# KiCad board Led_clock_sector.kicad_pcb (continued)
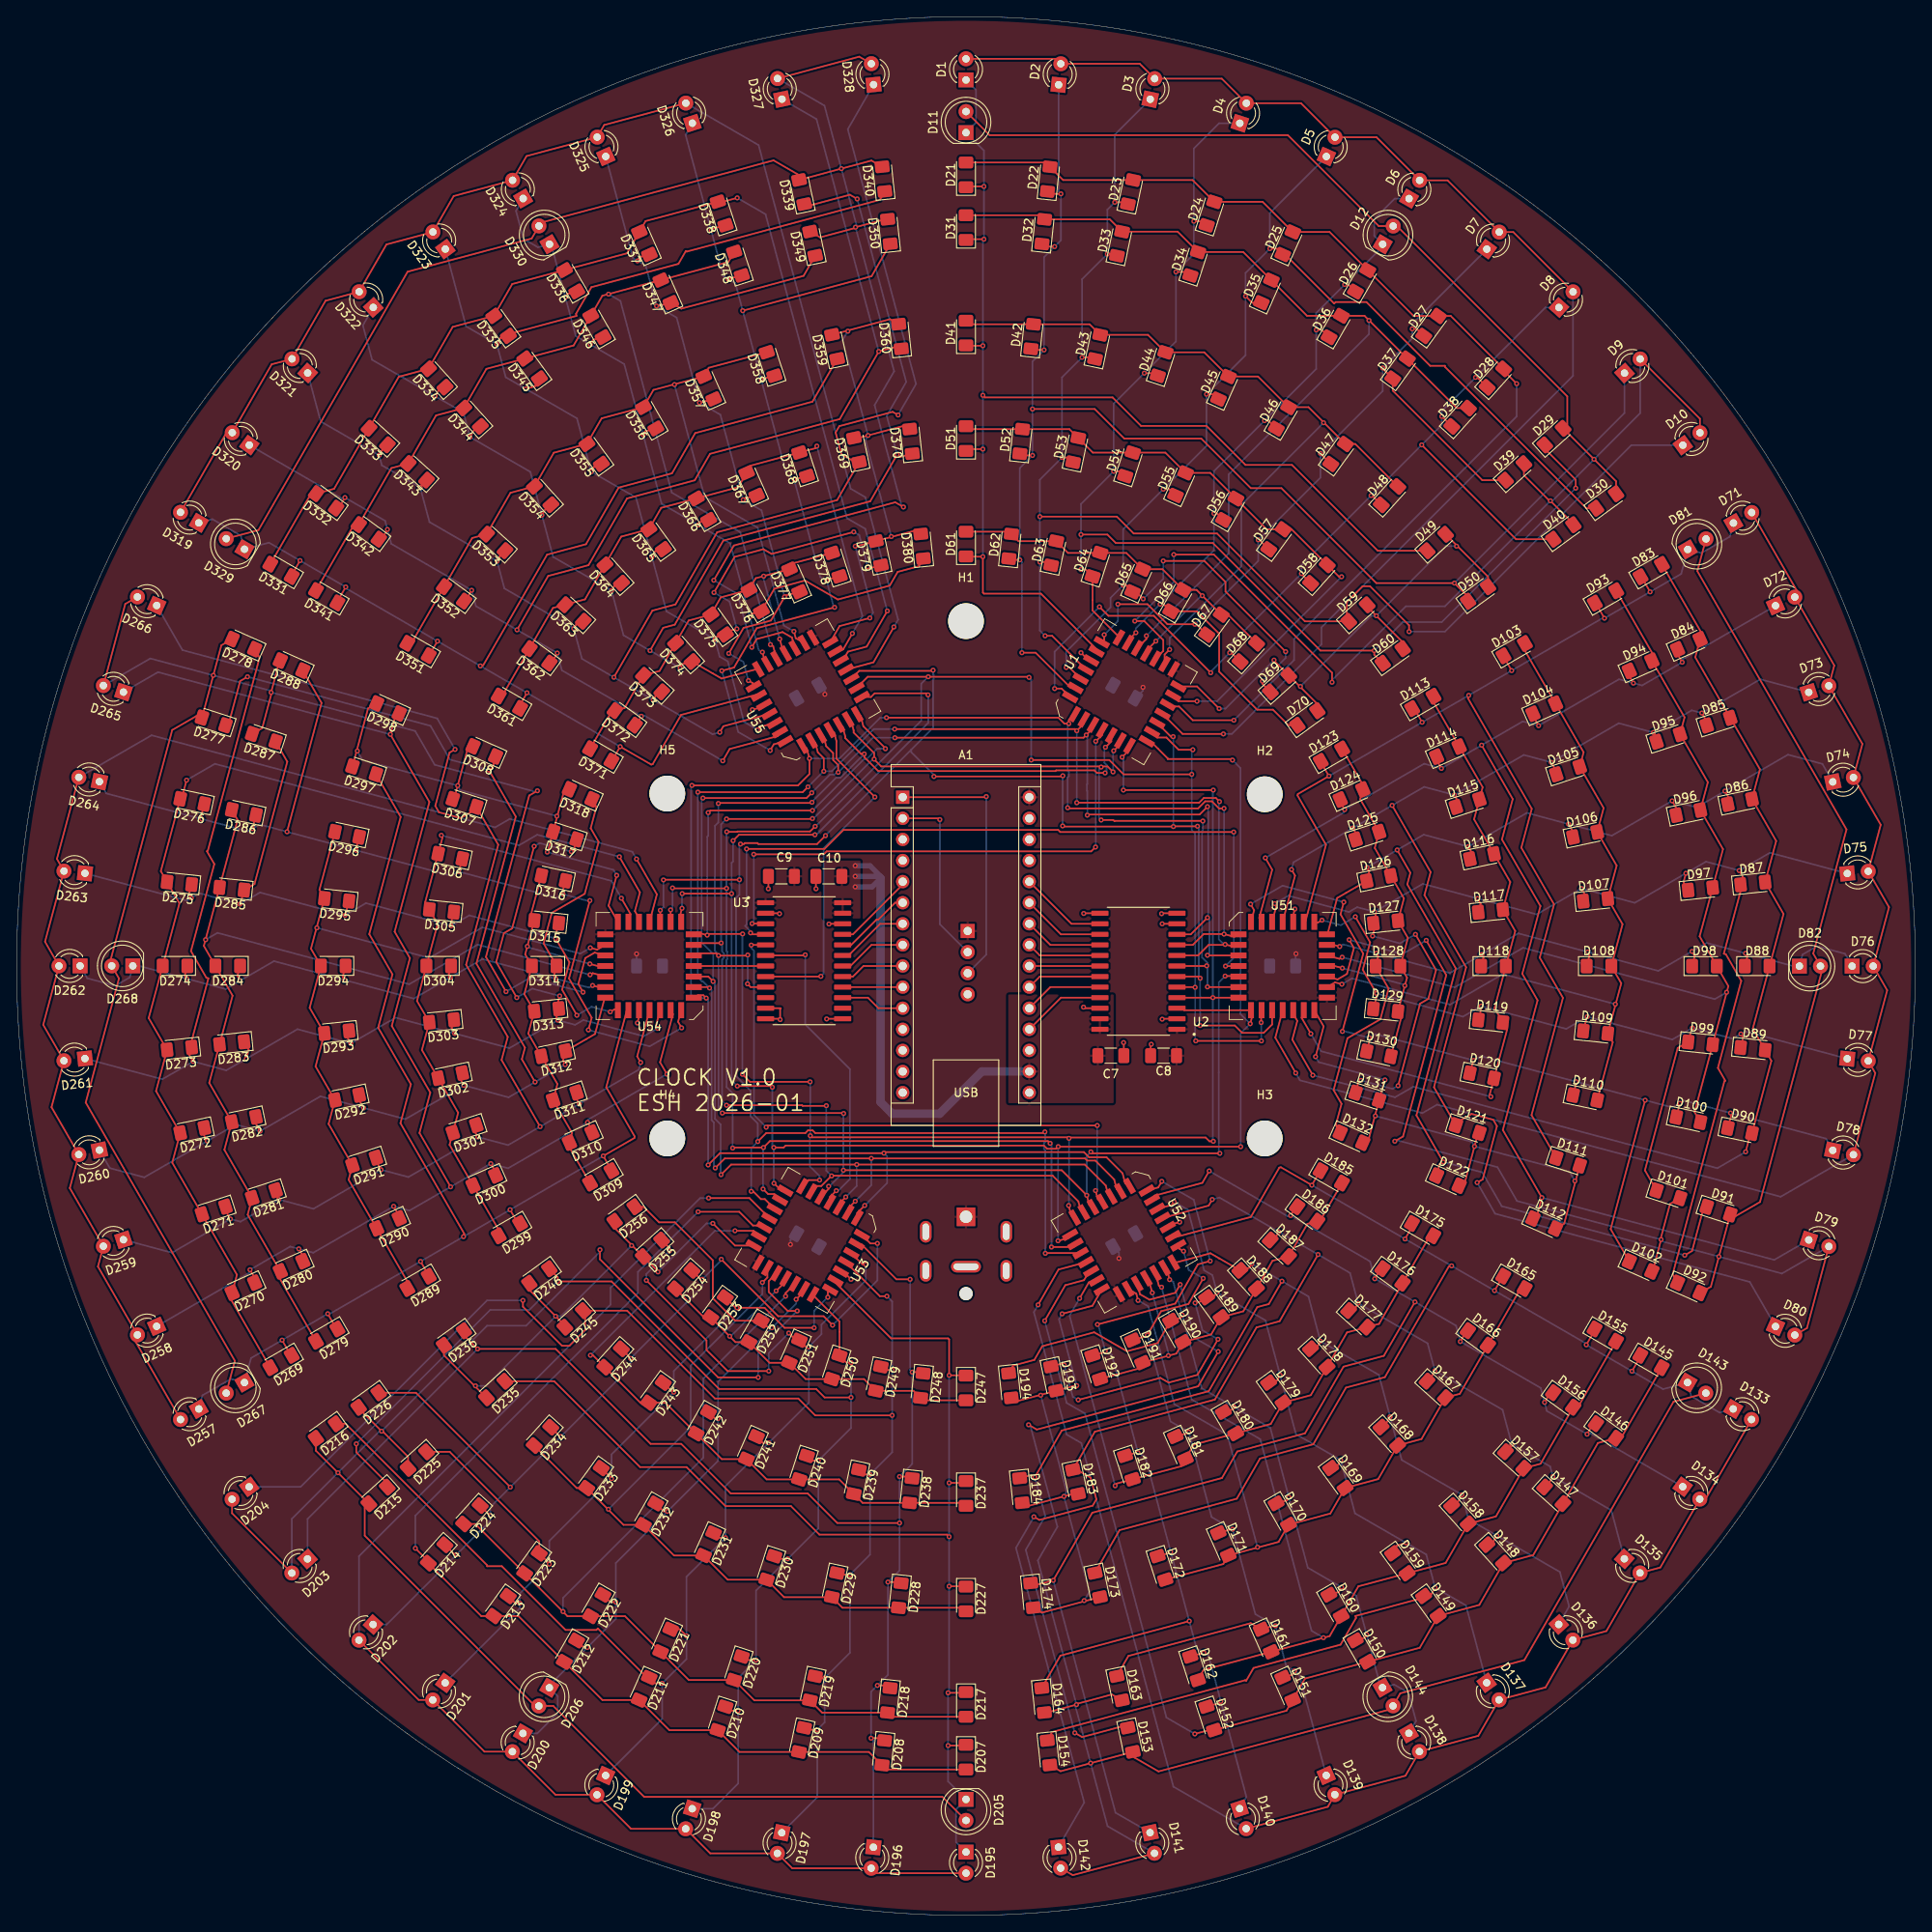
[diagram p0: board, top side]
## Routing (per net, layer and track width the routed paths; a pad name or vN(x,y) marks a point on that pad's centre or on a via; arc(x,y) is an arc through that point) (continued)
/D7: length 212
  Top w0.2: v1(84.81,89.18) 86.03,90.4 v1(101.14,90.4) 128.6,90.4 131.13,87.87 131.42,86.76 U52.7 ; U55.7 97.18,141.86 97.47,140.76 98.3,139.93 98.3,139.1 98.91,138.5 v1(98.91,137.61) ; v1(105.74,141.78) 128.45,141.78 v1(128.78,142.11) 129.59,142.92 U1.7 ; U2.10 141.35,118.11 v1(143.37,120.12) ; v1(143.37,133.48) 142.43,132.54 128.98,132.54 v1(128.91,132.46) ; v1(143.37,115.6) 143.39,115.57 U51.7 146.74,115.36 ; v1(95.73,135.15) 95.1,134.52 v1(82.63,134.52) ; U54.7 83.27,113.03 v1(83.86,112.45) ; U53.7 99.01,85.68 v1(99.82,86.49)
  Bottom w0.2: v1(84.81,89.18) 84.76,89.23 84.76,95.22 84.07,95.91 84.07,112.23 v1(83.86,112.45) 83.86,115.76 82.47,117.14 82.47,134.37 v1(82.63,134.52) ; v1(105.74,141.78) 103.08,141.78 v1(98.91,137.61) 98.71,137.61 98.44,137.34 97.92,137.34 v1(95.73,135.15) ; v1(101.14,90.4) 101.14,87.81 v1(99.82,86.49) ; v1(143.37,133.48) 143.47,133.38 143.47,120.22 v1(143.37,120.12) 143.62,119.88 143.62,115.84 v1(143.37,115.6) ; v1(128.91,132.46) 128.91,135.35 128.86,135.39 128.86,136.16 128.91,136.2 128.91,141.99 v1(128.78,142.11)
/ED0: length 10.1
  Top w0.2: U2.21 125.73,110.49 A1.19
/ED1: length 9.6
  Top w0.2: A1.20 124.46,111.76 U2.20
/ED2: length 9
  Top w0.2: U2.19 123.19,113.03 A1.21
/ED3: length 8.5
  Top w0.2: A1.22 U2.18
/ED4: length 9
  Top w0.2: U2.17 123.19,115.57 A1.23
/ED5: length 9.6
  Top w0.2: A1.24 124.46,116.84 U2.16
/ED6: length 10.1
  Top w0.2: A1.25 125.73,118.11 U2.15
/ED7: length 10.6
  Top w0.2: U2.14 127,119.38 A1.26
/EMODE: length 7.8
  Top w0.2: A1.11 103.76,109.22 102.49,110.49 U3.15
/MODE: length 213.2
  Top w0.2: v1(95.76,134.01) 95.68,133.93 84.55,133.93 v1(84.48,133.87) ; v1(84.96,96.6) 99.52,96.6 v1(99.57,96.55) ; v1(99.54,89.71) 125.82,89.71 v1(128.84,86.7) 129.15,85.53 U52.9 ; U1.9 131.79,141.34 v1(131.09,140.64) ; v1(87.99,112.15) 88.38,111.76 U3.9 ; v1(131.05,137.54) 130.07,137.54 129.76,137.85 125.15,137.85 125.07,137.77 103.73,137.77 102.04,139.46 v1(102.04,139.83) 101.67,139.83 99.76,141.74 99.76,141.93 99.45,143.09 U55.9 ; U53.9 97.76,87.47 v1(97.76,87.78) ; v1(144.86,91.74) 129.51,91.74 v1(129.34,91.92) ; U51.9 147.05,113.09 v1(145.5,113.09) ; v1(88.03,115.62) 87.95,115.54 84.52,115.54 v1(84.51,115.56) 84.24,115.82 81.96,115.82 U54.9
  Bottom w0.2: v1(88.03,115.62) 88.03,112.19 v1(87.99,112.15) ; v1(84.48,133.87) 84.48,131.58 84.07,131.17 84.07,116.11 84.51,115.68 v1(84.51,115.56) 84.51,97.05 v1(84.96,96.6) ; v1(102.04,139.83) 99.18,136.96 98.66,136.96 95.73,134.04 v1(95.76,134.01) ; v1(131.09,140.64) 130.96,140.51 130.96,138.78 131.22,138.52 131.22,137.72 v1(131.05,137.54) ; v1(99.57,96.55) 99.54,96.52 v1(99.54,89.71) 99.54,89.47 97.86,87.78 v1(97.76,87.78) ; v1(145.5,113.09) 144.73,112.32 144.73,91.87 v1(144.86,91.74) ; v1(128.84,86.7) 128.84,91.42 v1(129.34,91.92)
/Sector1/dp: length 122.5
  Top w0.2: D38.1 171.58,180.47 v1(171.58,180.47) ; v1(175.64,185.17) 175.85,185.17 D28.1 ; D48.1 163.17,170.94 v1(163.07,170.94) ; v1(124.97,147.7) 125.82,147.7 U1.4 ; D58.1 154.69,161.49 v1(154.69,161.54) ; v1(169.16,177.04) 180.52,165.68 D40.1 ; v1(143.76,149.61) 136.91,156.46 131.45,156.46 v1(130.37,157.54) ; D68.1 146.22,152.02 v1(146.05,152.02)
  Bottom w0.2: D8.1 184.05,193.58 v1(175.64,185.17) 171.58,181.1 v1(171.58,180.47) 171.58,179.45 v1(163.07,170.94) 154.69,162.56 v1(154.69,161.54) 146.05,152.91 v1(146.05,152.02) 143.76,149.73 v1(143.76,149.61) ; v1(130.37,157.54) 124.97,152.15 v1(124.97,147.7)
/Sector1/LD1: length 164.3
  Top w0.2: D1.2 125.12,223.52 D2.2 135.22,222.92 D3.2 145.09,221.13 D4.2 154.63,218.17 D5.2 163.72,214.08 D6.2 172.27,208.89 D7.2 180.19,202.66 D8.2 ; U1.15 140.38,142.24 v1(145.29,142.24)
  Bottom w0.2: v1(145.29,142.24) 146.3,142.24 157.1,153.04 157.1,155.07 187.38,185.35 D8.2
/Sector1/LD2: length 140.8
  Top w0.2: D21.2 123.88,211.04 D22.2 126,208.92 D23.2 141.57,208.92 D24.2 150.02,206.3 D25.2 158.07,202.67 D26.2 168.18,192.56 D27.2 172.66,192.56 D28.2 179.03,185.97 v1(180.59,184.4) ; v1(146.56,143.89) 141.61,143.89 139.95,145.54 138.81,145.54 U1.16
  Bottom w0.2: v1(146.56,143.89) 153.8,151.13 153.8,153.67 180.59,180.47 v1(180.59,184.4)
/Sector1/LD3: length 121.1
  Top w0.2: v1(136.02,154.05) 136.02,153.67 U1.23 ; D31.2 123.25,204.69 D32.2 131.61,204.19 D33.2 139.78,202.71 D34.2 147.67,200.26 D35.2 155.36,192.58 D36.2 162.28,192.58 D37.2 173.38,181.47 D38.2
  Bottom w0.2: v1(162.81,192.02) 162.81,190.37 145.92,173.48 145.92,163.96 v1(136.02,154.05)
/Sector1/LD4: length 97.2
  Top w0.2: v1(138.81,152.4) 138.21,151.8 U1.20 ; D48.2 161.17,177.15 D47.2 155.53,181.58 D46.2 149.45,185.27 D45.2 142.98,188.19 D44.2 136.2,190.29 D43.2 129.18,191.56 D42.2 114.73,191.56 D41.2
  Bottom w0.2: v1(157.35,179.71) 147.45,169.8 147.45,162.43 138.81,153.8 v1(138.81,152.4)
/Sector1/LD5: length 79.5
  Top w0.2: v1(159.51,161.16) 159.22,161.16 D58.2 153.5,166.88 D57.2 150.5,166.88 D56.2 143.71,173.67 D55.2 138.3,176.11 D54.2 129.57,176.11 D53.2 126.75,178.93 D52.2 114.66,178.93 D51.2 ; U1.17 139.91,146.18 v1(142.11,146.18)
  Bottom w0.2: v1(159.51,161.16) 144.53,146.18 v1(142.11,146.18)
/Sector1/LD6: length 50.4
  Top w0.2: U1.22 136.01,152.27 v1(137.16,153.42) ; D68.2 145.84,156.6 D67.2 142.05,159.58 D66.2 137.96,162.07 D65.2 133.61,164.03 D64.2 126.59,164.03 D63.2 120.62,165.44 D62.2 119.48,166.59 D61.2
  Bottom w0.2: v1(142.75,158.88) 142.62,158.88 v1(137.16,153.42)
/Sector1/LD7: length 223.1
  Top w0.2: D40.2 187.43,167.54 v1(184.66,170.31) 184.55,170.31 181.47,173.38 D39.2 ; D30.2 192.56,172.66 v1(189.91,175.31) D29.2 186.69,179.53 186.69,182.88 166.18,203.39 D12.2 163.99,203.39 153.05,214.32 117.15,214.32 D11.2 ; v1(158.37,148.46) 158.37,149.61 144.15,163.83 v1(139.32,163.83) ; U1.21 138.05,152.23 138.05,153.54 135.76,155.83 v1(134.62,155.83) ; D10.2 202.66,180.19 D9.2
  Bottom w0.2: D9.2 195.47,180.86 v1(189.91,175.31) 184.91,170.31 v1(184.66,170.31) 171.96,157.61 167.26,157.61 158.37,148.72 v1(158.37,148.46) ; v1(139.32,163.83) 139.32,160.53 v1(134.62,155.83)
/Sector1/LD8: length 64.6
  Top w0.2: U1.18 142.11,147.96 v1(144.78,145.29) ; D49.2 177.15,161.17 D50.2 ; D70.2 156.6,145.84 D69.2 151.38,151.06 v1(151.38,151.13) ; D60.2 166.88,153.29 v1(163.7,156.46) 162.6,157.57 D59.2
  Bottom w0.2: v1(151.38,151.13) 145.54,145.29 v1(144.78,145.29) ; v1(154.56,147.96) 163.07,156.46 v1(163.7,156.46) 172.09,164.85 v1(173.36,164.85)
/Sector1/Sa: length 152.3
  Top w0.2: v1(116.33,183.01) 116.59,182.75 131.95,182.75 135.38,179.32 143.26,179.32 147.96,174.62 153.54,174.62 163.88,164.29 D49.1 ; D21.1 114.39,208.15 v1(116.46,208.15) ; D41.1 114.34,188.98 v1(116.33,188.98) ; D31.1 114.39,201.8 v1(116.46,201.8) ; v1(116.33,176.53) 114.52,176.53 D51.1 ; U1.27 130.01,152.44 123.32,159.13 116.46,159.13 116.33,159.26 v1(116.33,163.58) 114.34,163.58 D61.1
  Bottom w0.2: v1(116.33,163.58) v1(116.33,176.53) v1(116.33,188.98) 116.33,201.68 v1(116.46,201.8) v1(116.46,208.15) 116.46,212.47 D11.1 115.5,215.83 115.5,219.78 D1.1
/Sector1/Sb: length 183
  Top w0.2: v1(125.73,207.26) 124.39,207.26 D22.1 ; v1(124.97,200.91) 123.76,200.91 D32.1 ; U1.3 126.92,147.78 122.68,152.02 v1(121.03,152.02) ; v1(122.3,175.77) 120.99,175.77 D52.1 ; D50.1 174.74,158.76 v1(173.1,160.4) 163.7,160.4 152.27,171.83 148.59,171.83 142.62,177.8 133.35,177.8 129.79,181.36 v1(122.3,181.36) ; D62.1 119.6,163.19 v1(120.78,163.19) ; v1(123.7,188.47) 122.24,188.47 D42.1
  Bottom w0.2: D9.1 193.58,180.88 v1(173.1,160.4) ; v1(121.03,152.02) 121.03,162.94 v1(120.78,163.19) 120.78,174.24 v1(122.3,175.77) 122.3,187.07 v1(123.7,188.47) 123.7,199.64 v1(124.97,200.91) 125.73,201.68 v1(125.73,207.26) 125.45,207.54 D2.1
/Sector1/Sc: length 182.7
  Top w0.2: U1.1 124.67,154.05 v1(123.83,154.05) ; v1(132.21,206.25) 133.56,206.25 D23.1 ; D43.1 129.63,187.58 v1(128.27,187.58) ; v1(123.19,168.4) 132.46,168.4 134.49,166.37 144.53,166.37 155.1,155.79 D59.1 160.15,156.03 160.15,158.12 162.05,160.02 162.94,160.02 167.64,155.32 v1(167.64,154.56) ; D53.1 126.64,175.51 v1(125.86,175.51) ; v1(131.32,200.03) 132.25,200.03 D33.1 ; D63.1 124.15,162.94 v1(123.19,162.94)
  Bottom w0.2: v1(123.83,154.05) 123.19,154.69 v1(123.19,162.94) 123.19,172.85 v1(125.86,175.51) 125.86,185.17 v1(128.27,187.58) 128.27,196.98 v1(131.32,200.03) 131.32,205.36 v1(132.21,206.25) 132.21,214.38 D3.1 ; v1(167.64,154.56) 171.96,154.56 194.4,177 D10.1
/Sector1/Sd: length 162.7
  Top w0.2: v1(135.76,185.67) 137.07,185.67 D44.1 ; D54.1 132.88,173.86 v1(132.08,173.86) ; D29.1 183.98,176.57 187.71,172.85 v1(187.71,171.83) ; D60.1 163.45,151.77 v1(163.45,152.27) 156.97,152.27 144.02,165.23 132.33,165.23 131.32,166.24 v1(128.14,166.24) ; v1(141.73,203.96) 142.79,203.96 D24.1 ; v1(139.57,197.87) 140.88,197.87 D34.1 ; U1.25 132.71,153.93 129.54,157.1 129.54,158.34 129.54,158.34 D64.1 128.69,162.05 v1(128.14,162.05)
  Bottom w0.2: v1(187.71,171.83) 171.58,155.7 166.88,155.7 v1(163.45,152.27) ; D4.1 144.77,215.76 141.73,212.73 v1(141.73,203.96) 141.73,200.03 v1(139.57,197.87) 139.57,189.48 v1(135.76,185.67) 132.08,181.99 v1(132.08,173.86) 128.14,169.93 v1(128.14,162.05)
/Sector1/Se: length 169.9
  Top w0.2: v1(149.99,148.59) 149.99,148.26 D69.1 ; v1(133.22,160.15) 133.56,160.15 D65.1 134.78,159.35 v1(135.64,158.5) ; v1(138.05,171.7) 138.77,171.7 D55.1 ; v1(138.05,163.07) 143,163.07 145.54,160.53 145.54,159.38 v1(152.78,152.15) ; D45.1 144.11,183.13 v1(143.26,183.13) ; v1(150.88,200.66) 151.73,200.66 D25.1 152.72,199.96 158.62,194.06 158.8,194.23 162.51,194.23 170.18,186.56 171.96,186.56 171.96,186.44 188.98,169.41 D30.1 ; U1.2 126.75,150.24 v1(126.37,150.24) ; D35.1 148.74,194.16 v1(147.96,194.95)
  Bottom w0.2: v1(126.37,150.24) 126.37,152.15 131.7,157.48 131.7,158.62 v1(133.22,160.15) 133.22,166.88 v1(138.05,171.7) 143.26,176.91 v1(143.26,183.13) 147.96,187.83 v1(147.96,194.95) 147.96,197.74 v1(150.88,200.66) 150.88,204.94 D5.1 ; v1(152.78,152.15) 152.78,151.38 v1(149.99,148.59) ; v1(135.64,158.5) 138.05,160.91 v1(138.05,163.07)
/Sector1/Sf: length 101.4
  Top w0.2: D70.1 153.13,143.29 151.26,145.16 149.35,145.16 144.78,149.73 144.78,154.31 142.08,157.01 D66.1 138.1,157.86 v1(137.67,157.86) ; v1(134.75,154.43) 133.81,153.5 U1.24 ; v1(156.46,190.88) 157.13,190.88 D36.1 ; D46.1 150.7,179.96 v1(150.24,179.96) ; D56.1 144.53,168.78 v1(144.15,168.78) ; v1(159.89,196.34) 160.34,196.34 D26.1
  Bottom w0.2: D6.1 165.92,206.69 163.45,204.22 163.45,202.2 D12.1 164.47,200.91 v1(159.89,196.34) 156.46,192.91 v1(156.46,190.88) 156.46,186.18 v1(150.24,179.96) 144.15,173.86 v1(144.15,168.78) 144.15,164.34 v1(137.67,157.86) 134.75,154.94 v1(134.75,154.43)
/Sector1/Sg: length 103.9
  Top w0.2: D39.1 176.46,172.79 165.68,183.57 D37.1 164.47,186.23 v1(164.47,186.31) ; v1(156.97,176.02) 156.97,175.99 D47.1 ; v1(168.02,191.01) 168.56,191.01 D27.1 ; v1(130.94,154.18) 130.94,153.57 U1.26 ; D57.1 149.61,165.61 v1(149.48,165.61) ; D67.1 142.03,155.45 v1(141.86,155.45) 138.56,155.45 136.14,157.86 v1(132.59,157.86)
  Bottom w0.2: v1(141.86,155.45) 149.48,163.07 v1(149.48,165.61) 156.97,173.1 v1(156.97,176.02) 164.47,183.52 v1(164.47,186.31) 168.02,189.87 v1(168.02,191.01) 168.02,191.62 D7.1 ; v1(130.94,154.18) 132.59,155.83 v1(132.59,157.86)
/Sector2/dp: length 122.5
  Top w0.2: D120.1 175.37,102.91 v1(175.41,102.93) ; v1(148.56,121.75) 148.99,121.01 U51.4 ; v1(187.74,100.37) 187.79,100.28 D110.1 ; v1(196.07,98.14) 191.91,82.63 D102.1 ; v1(200.25,97.77) 200.25,97.76 D100.1 ; v1(206.35,96.6) 206.45,96.41 D90.1 ; v1(159.79,122) 159.39,120.52 162.12,115.79 v1(159.61,106.42) ; v1(162.84,105.65) 162.93,105.5 D130.1
  Bottom w0.2: v1(159.79,122) 152.41,123.97 v1(148.56,121.75) ; D78.1 217.84,93.52 v1(206.35,96.6) 200.79,98.09 v1(200.25,97.77) 199.37,97.26 v1(187.74,100.37) 176.29,103.44 v1(175.41,102.93) 163.61,106.1 v1(162.84,105.65) 159.72,106.49 v1(159.61,106.42)
/Sector2/LD1: length 164.3
  Top w0.2: D71.2 214.3,159.53 D72.2 218.83,150.48 D73.2 222.22,141.04 D74.2 224.43,131.3 D75.2 225.42,121.38 D76.2 225.2,111.38 D77.2 223.77,101.41 D78.2 ; v1(153.99,101.42) 151.54,105.67 U51.15
  Bottom w0.2: v1(153.99,101.42) 154.5,100.54 169.25,96.59 171.01,97.61 212.38,86.52 D78.2
/Sector2/LD2: length 140.8
  Top w0.2: U51.16 153.62,108.68 154.19,107.69 153.58,105.44 v1(156.06,101.15) ; v1(208.16,91.93) 208.74,94.06 D90.2 211.26,102.88 D89.2 209.02,106.75 D88.2 212.72,120.57 D87.2 211.84,129.36 D86.2 209.89,137.98 D85.2 202.1,151.47 D84.2 202.87,154.36 D83.2
  Bottom w0.2: v1(208.16,91.93) 204.75,89.96 168.15,99.77 165.95,98.5 v1(156.06,101.15)
/Sector2/LD3: length 121.1
  Top w0.2: D100.2 202.02,96.71 D99.2 206.08,111.88 D98.2 202.62,117.87 D97.2 205.44,128.37 D96.2 203.61,136.43 D95.2 200.81,144.24 D94.2 197.06,151.73 D93.2 ; v1(159.59,115.36) 159.26,115.17 U51.23
  Bottom w0.2: v1(159.59,115.36) 173.12,111.73 181.37,116.49 204.44,110.31 v1(205.87,111.14)
/Sector2/LD4: length 97.2
  Top w0.2: U51.20 158.74,112.33 v1(159.56,112.11) ; D103.2 181.43,152.55 D104.2 188.66,140.03 D105.2 191.06,133.31 D106.2 192.63,126.39 D107.2 193.34,119.33 D108.2 193.19,112.22 D109.2 192.17,105.13 D110.2
  Bottom w0.2: v1(192.47,109.71) 178.94,113.33 172.56,109.65 160.77,112.81 v1(159.56,112.11)
/Sector2/LD5: length 79.5
  Top w0.2: D113.2 170.45,146.3 D114.2 176.5,135.82 D115.2 175.47,131.97 D116.2 179.83,124.41 D117.2 180.42,118.51 D118.2 177.94,109.23 D119.2 179.44,106.62 D120.2 177.35,98.82 v1(177.49,98.56) ; v1(155.82,106.14) 154.72,108.05 U51.17
  Bottom w0.2: v1(155.82,106.14) 157.02,104.05 v1(177.49,98.56)
/Sector2/LD6: length 50.4
  Top w0.2: U51.22 158.04,114.47 v1(159.61,114.05) ; D130.2 166.71,108.12 D129.2 167.4,112.89 D128.2 167.5,117.68 D127.2 167.02,122.43 D126.2 163.51,128.51 D125.2 161.76,134.39 D124.2 162.18,135.95 D123.2
  Bottom w0.2: v1(159.61,114.05) 167.07,112.05 v1(167.13,111.94)
/Sector2/LD7: length 223.1
  Top w0.2: D92.2 203.97,75.69 v1(204.94,79.31) D91.2 206.99,84.21 209.89,85.89 217.4,113.9 D82.2 216.3,115.8 220.3,130.74 202.35,161.83 D81.2 ; D102.2 196.97,77.58 v1(197.99,81.36) 197.93,81.46 199.06,85.66 D101.2 ; U51.21 159.03,112.69 160.16,113.34 161,116.46 v1(160.43,117.45) ; v1(165.92,93.2) 166.91,93.78 172.12,113.21 v1(169.71,117.39) ; D79.2 215.55,70.71 D80.2
  Bottom w0.2: v1(160.43,117.45) 166.85,115.73 v1(169.71,117.39) ; D79.2 212.53,77.28 v1(204.94,79.31) 198.11,81.14 v1(197.99,81.36) 180.64,86.01 178.29,90.08 166.14,93.33 v1(165.92,93.2)
/Sector2/LD8: length 64.6
  Top w0.2: v1(164.74,100.59) 164.68,100.55 D131.2 162.77,93.43 D132.2 ; D111.2 186.32,83.29 D112.2 ; v1(156.38,103.39) 157.36,107.03 U51.18 ; D121.2 175.93,94.1 v1(175.52,92.59) 174.36,88.25 D122.2
  Bottom w0.2: v1(163.58,96.25) 175.2,93.14 v1(175.52,92.59) 186.97,89.52 v1(187.61,88.42) ; v1(156.38,103.39) 156.76,102.73 v1(164.74,100.59)
/Sector2/Sa: length 152.3
  Top w0.2: D113.1 168.31,145.21 v1(169.21,143.64) ; D83.1 195.63,161.14 v1(196.66,159.34) ; U51.27 155.19,119.75 157.64,128.89 154.21,134.83 154.26,135.01 v1(157.99,137.17) 157,138.89 D123.1 ; v1(174.82,146.88) 174.73,146.53 182.41,133.23 181.16,128.54 185.09,121.72 183.37,115.3 186.17,110.46 182.39,96.35 D111.1 ; v1(191.16,156.17) 190.13,157.96 D93.1 ; v1(179.99,149.87) 178.99,151.59 D103.1
  Bottom w0.2: v1(157.99,137.17) v1(169.21,143.64) v1(179.99,149.87) 190.99,156.22 v1(191.16,156.17) v1(196.66,159.34) 200.4,161.5 D81.1 202.83,164.01 206.25,165.99 D71.1
/Sector2/Sb: length 183
  Top w0.2: v1(171.54,138.09) 170.88,139.23 D114.1 ; v1(183.23,143.23) 182.51,144.49 D104.1 ; D112.1 183.03,84.17 v1(183.63,86.42) 178.93,94.55 183.11,110.17 181.27,113.36 183.46,121.51 178.82,129.54 180.12,134.4 v1(176.38,140.89) ; D94.1 194.04,149.41 v1(194.65,148.36) ; U51.3 149.61,120.1 151.16,125.89 v1(150.34,127.32) ; v1(159.89,133.13) 159.3,134.14 D124.1 ; v1(200.53,150.87) 199.86,152.04 D84.1
  Bottom w0.2: v1(150.34,127.32) 159.79,132.78 v1(159.89,133.13) 169.46,138.65 v1(171.54,138.09) 181.33,143.74 v1(183.23,143.23) 192.91,148.82 v1(194.65,148.36) 195.69,148.08 v1(200.53,150.87) 200.63,151.25 D72.1 ; D79.1 211.6,78.92 v1(183.63,86.42)
/Sector2/Sc: length 182.7
  Top w0.2: v1(197.05,142.41) 197.52,141.6 D95.1 ; v1(184.75,138.83) 185.43,137.65 D105.1 ; D115.1 173.49,134.21 v1(173.1,134.89) ; D125.1 161.35,130.08 v1(160.87,130.91) ; v1(175.84,88.22) 176.5,88.6 178.22,95.02 177.77,95.79 175.17,96.49 173.37,95.45 D121.1 170.64,99.7 174.51,114.15 169.49,122.84 170.24,125.61 v1(165.6,133.64) ; U51.1 153.92,125.18 v1(153.49,125.91) ; v1(202.89,144.75) 203.56,143.58 D85.1
  Bottom w0.2: v1(153.49,125.91) 153.72,126.78 v1(160.87,130.91) 169.45,135.86 v1(173.1,134.89) 181.45,139.71 v1(184.75,138.83) 192.89,143.53 v1(197.05,142.41) 201.67,145.08 v1(202.89,144.75) 209.93,148.82 D73.1 ; D80.1 208.66,76.27 178,84.48 v1(175.84,88.22)
/Sector2/Sd: length 162.7
  Top w0.2: U51.25 157.83,118.16 158.99,122.49 160.06,123.11 160.06,123.11 D126.1 162.85,125.71 v1(162.58,126.18) ; v1(205.67,135.36) 206.2,134.45 D86.1 ; D122.1 171.33,90.46 v1(171.76,90.71) 168.53,96.32 173.27,114.01 167.43,124.13 167.8,125.52 v1(166.21,128.27) ; v1(200.83,79.48) 201.71,79.99 203.07,85.08 D91.1 ; D96.1 199.96,133.05 v1(199.31,134.18) ; v1(174.78,128.67) 175.18,127.98 D116.1 ; v1(186.85,131.39) 187.5,130.26 D106.1
  Bottom w0.2: D74.1 217.4,138.63 213.26,139.74 v1(205.67,135.36) 202.26,133.39 v1(199.31,134.18) 192.05,129.99 v1(186.85,131.39) 181.82,132.74 v1(174.78,128.67) 169.4,130.11 v1(162.58,126.18) ; v1(200.83,79.48) 178.8,85.39 176.45,89.45 v1(171.76,90.71)
/Sector2/Se: length 169.9
  Top w0.2: v1(163.47,120.82) 163.64,120.53 D127.1 163.56,119.07 v1(163.25,117.91) ; U51.2 151.65,121.48 v1(151.46,121.81) ; v1(175.89,122.42) 176.25,121.8 D117.1 ; v1(200.97,125.46) 200.68,124.39 D97.1 ; v1(168.41,118.1) 170.89,113.82 169.96,110.35 168.97,109.77 v1(166.32,99.89) ; v1(161.84,100.53) 161.55,100.36 D131.1 ; D92.1 199.37,77.17 205.6,100.42 205.71,100.49 204.83,102.03 207.63,112.5 205.78,115.72 205.54,115.78 207.7,123.84 D87.1 207.81,125.05 v1(207.38,125.79) ; v1(188.39,123.63) 188.82,122.89 D107.1
  Bottom w0.2: v1(168.41,118.1) 166.54,117.03 v1(163.25,117.91) ; v1(161.84,100.53) 165.66,99.5 v1(166.32,99.89) ; D75.1 211.09,127.93 v1(207.38,125.79) 203.39,126.86 v1(200.97,125.46) 194.81,121.91 v1(188.39,123.63) 183,120.52 v1(175.89,122.42) 169.3,124.19 v1(163.47,120.82) 161.39,121.38 160.4,120.81 153.11,122.76 v1(151.46,121.81)
/Sector2/Sf: length 101.4
  Top w0.2: D88.1 208.37,115.44 v1(208.15,115.82) ; D108.1 189.37,115.59 v1(189.14,115.99) ; v1(159.28,116.65) 158.01,116.99 U51.24 ; D98.1 202.04,115.49 v1(201.71,116.06) ; v1(163.71,115.83) 163.93,115.46 D128.1 165.18,111.58 164.19,107.89 160.23,105.61 158.56,99.36 159.51,97.71 158.82,95.15 D132.1 ; D118.1 176.6,115.35 v1(176.41,115.68)
  Bottom w0.2: D76.1 220.12,115.78 216.75,116.68 215.01,115.68 D82.1 214.4,114.15 v1(208.15,115.82) 203.47,117.08 v1(201.71,116.06) 197.64,113.71 v1(189.14,115.99) 180.81,118.22 v1(176.41,115.68) 172.56,113.46 v1(163.71,115.83) 159.72,116.9 v1(159.28,116.65)
/Sector2/Sg: length 103.9
  Top w0.2: v1(157.16,119.82) 156.63,119.52 U51.26 ; D119.1 176.39,109.36 v1(176.33,109.48) ; v1(207.6,106.12) 207.87,105.65 D89.1 ; D101.1 196.04,89.7 199.98,104.43 D99.1 201.68,106.81 v1(201.75,106.85) ; D129.1 163.81,110.85 v1(163.72,110.99) 162.07,113.85 162.95,117.15 v1(161.17,120.23) ; D109.1 189.06,108.18 v1(189.09,108.19)
  Bottom w0.2: v1(157.16,119.82) 159.41,119.21 v1(161.17,120.23) ; v1(163.72,110.99) 174.13,108.21 v1(176.33,109.48) 186.56,106.73 v1(189.09,108.19) 199.33,105.45 v1(201.75,106.85) 206.61,105.55 v1(207.6,106.12) 208.13,106.43 D77.1
/Sector3/dp: length 122.5
  Top w0.2: v1(137.87,88.37) 137.45,87.64 U52.4 ; v1(144.98,25.76) 144.87,25.57 D152.1 ; v1(138.95,43.76) 138.9,43.67 D172.1 ; D182.1 134.96,55.74 v1(135,55.72) ; D192.1 130.98,67.81 v1(131.07,67.96) ; D164.1 125.66,31.27 v1(141.18,35.43) ; v1(143.7,78.78) 142.22,78.38 139.49,73.65 v1(130.12,71.14) ; D162.1 142.94,31.62 v1(142.94,31.63)
  Bottom w0.2: v1(143.7,78.78) 141.72,86.15 v1(137.87,88.37) ; v1(130.12,71.14) 130.23,71.08 v1(131.07,67.96) 131.84,67.51 v1(135,55.72) 135.88,55.21 v1(138.95,43.76) 142.06,32.13 v1(142.94,31.63) 143.49,31.31 v1(144.98,25.76) 148.06,14.27 D140.1
/Sector3/LD1: length 164.3
  Top w0.2: v1(122.98,73.51) 125.44,77.76 U52.15 ; D133.2 203.46,50.33 D134.2 197.89,41.89 D135.2 191.4,34.23 D136.2 184.07,27.45 D137.2 175.98,21.63 D138.2 167.21,16.81 D139.2 157.86,13.07 D140.2
  Bottom w0.2: D140.2 139.27,15.5 128.18,56.86 126.42,57.88 122.47,72.63 v1(122.98,73.51)
/Sector3/LD2: length 140.8
  Top w0.2: D145.2 193.27,57.65 D146.2 190.38,56.87 D147.2 182.59,43.38 D148.2 176.1,37.38 D149.2 168.93,32.22 D150.2 155.11,28.52 D151.2 152.88,24.64 D152.2 143.98,22.42 v1(141.84,21.85) ; v1(123.78,71.58) 126.25,75.87 128.51,76.48 129.08,77.47 U52.16
  Bottom w0.2: v1(123.78,71.58) 126.43,61.69 128.63,60.42 138.43,23.82 v1(141.84,21.85)
/Sector3/LD3: length 121.1
  Top w0.2: D155.2 188.08,61.37 D156.2 183.47,54.37 D157.2 178.1,48.04 D158.2 172.04,42.43 D159.2 161.54,39.62 D160.2 158.08,33.63 D161.2 142.91,29.56 D162.2 ; U52.23 137.52,75.82 v1(137.85,75.63)
  Bottom w0.2: v1(157.33,33.44) 155.9,34.26 149.72,57.34 141.47,62.1 v1(137.85,75.63)
/Sector3/LD4: length 97.2
  Top w0.2: U52.20 134.8,74.86 v1(135.02,74.04) ; D172.2 145.28,42.3 D171.2 151.93,44.96 D170.2 158.17,48.39 D169.2 163.92,52.53 D168.2 169.14,57.35 D167.2 173.75,62.8 D166.2 180.98,75.31 D165.2
  Bottom w0.2: v1(135.02,74.04) 136.23,73.34 139.39,61.54 145.77,57.86 v1(149.39,44.33)
/Sector3/LD5: length 79.5
  Top w0.2: D175.2 170.07,81.69 D176.2 164.03,71.22 D177.2 160.17,70.18 D178.2 155.81,62.63 D179.2 150.99,59.16 D180.2 141.71,56.68 D181.2 140.21,54.07 D182.2 132.4,51.98 v1(132.26,51.73) ; U52.17 129.08,76.2 v1(127.98,74.29)
  Bottom w0.2: v1(132.26,51.73) 126.77,72.2 v1(127.98,74.29)
/Sector3/LD6: length 50.4
  Top w0.2: D185.2 156.97,83.68 D186.2 155.41,83.27 D187.2 151.2,78.81 D188.2 147.69,72.73 D189.2 143.82,69.94 D190.2 139.62,67.64 D191.2 135.14,65.85 D192.2 ; U52.22 136.3,76.53 v1(136.72,74.96)
  Bottom w0.2: v1(136.72,74.96) 138.72,67.5 v1(138.66,67.39)
/Sector3/LD7: length 223.1
  Top w0.2: D142.2 127.16,4.85 D141.2 ; D163.2 131.86,26.6 127.66,25.47 v1(127.6,25.38) 123.82,24.37 D164.2 ; U52.21 135.25,74.78 136.39,74.12 139.51,74.96 v1(140.08,75.95) ; D143.2 199.48,61.84 181.52,30.74 166.59,26.74 D144.2 165.49,24.84 137.48,17.33 134.57,19.01 D153.2 v1(129.31,18.33) 125.69,17.36 D154.2 ; v1(121.83,59.07) 122.82,58.5 142.25,63.7 v1(144.66,67.88)
  Bottom w0.2: D141.2 131.34,10.74 v1(129.31,18.33) 127.48,25.16 v1(127.6,25.38) 122.95,42.73 125.3,46.8 122.05,58.94 v1(121.83,59.07) ; v1(140.08,75.95) 141.8,69.53 v1(144.66,67.88)
/Sector3/LD8: length 64.6
  Top w0.2: D174.2 123.44,36.45 D173.2 ; D194.2 120.45,61.91 D193.2 127.57,63.82 v1(127.63,63.78) ; v1(125.88,72.42) 129.52,73.4 U52.18 ; D183.2 127.61,50.85 v1(126.09,50.45) 121.76,49.29 D184.2
  Bottom w0.2: v1(128.53,37.9) 129.16,39 v1(126.09,50.45) 126.41,51 v1(123.3,62.62) ; v1(127.63,63.78) 125.49,71.76 v1(125.88,72.42)
/Sector3/Sa: length 152.3
  Top w0.2: D185.1 156.93,89.64 v1(155.94,87.92) 152.2,90.07 152.02,90.03 148.6,84.09 139.45,81.64 U52.27 ; v1(167.16,81.44) 168.06,83.01 D175.1 ; D155.1 190.01,70.48 v1(188.98,68.69) ; v1(172.76,78.2) 172.42,78.11 164.73,64.8 160.05,63.54 156.11,56.72 149.69,55 146.9,50.17 132.79,46.38 D173.1 ; v1(177.93,75.22) 178.93,76.94 D165.1 ; v1(194.48,65.52) 195.51,67.31 D145.1
  Bottom w0.2: D133.1 205.03,60.53 201.61,62.51 D143.1 198.22,63.36 v1(194.48,65.52) v1(188.98,68.69) 188.93,68.87 v1(177.93,75.22) v1(167.16,81.44) v1(155.94,87.92)
/Sector3/Sb: length 183
  Top w0.2: v1(168.35,73.86) 164.6,67.37 159.75,66.07 155.11,58.04 146.96,55.85 145.12,52.66 129.5,48.48 v1(124.8,40.34) 122.56,39.74 D174.1 ; D146.1 189.75,59.1 v1(189.07,57.93) ; D176.1 164.17,77.79 v1(163.51,76.65) ; v1(173.81,69.09) 174.54,70.35 D166.1 ; v1(153.38,84.26) 153.97,85.27 D186.1 ; v1(183.95,61.77) 184.56,62.82 D156.1 ; v1(143.58,89.62) 142.75,88.19 136.96,86.64 U52.3
  Bottom w0.2: D141.1 132.3,12.37 v1(124.8,40.34) ; v1(143.58,89.62) 153.04,84.16 v1(153.38,84.26) 162.95,78.73 v1(163.51,76.65) 173.3,71 v1(173.81,69.09) 183.49,63.5 v1(183.95,61.77) 184.23,60.73 v1(189.07,57.93) 189.45,58.03 D134.1
/Sector3/Sc: length 182.7
  Top w0.2: v1(143.94,86.19) 143.52,85.46 U52.1 ; D187.1 151.48,81.47 v1(151.96,82.29) ; D147.1 184.28,51.66 v1(184.95,52.83) ; v1(122.47,47.99) 123.13,47.61 129.55,49.33 130,50.1 129.3,52.7 127.5,53.74 D183.1 129.81,58.23 144.26,62.1 149.28,70.79 152.05,71.53 v1(156.69,79.56) ; v1(180.01,56.71) 179.54,55.9 D157.1 ; v1(161.51,73.7) 161.12,73.02 D177.1 ; v1(170.76,65.58) 170.07,64.39 D167.1
  Bottom w0.2: v1(122.47,47.99) 120.32,44.25 128.53,13.59 D142.1 ; D135.1 191.99,48.77 v1(184.95,52.83) 184.63,54.05 v1(180.01,56.71) 178.89,60.88 v1(170.76,65.58) 169.87,68.87 v1(161.51,73.7) 160.54,77.34 v1(151.96,82.29) 144.81,86.42 v1(143.94,86.19)
/Sector3/Sd: length 162.7
  Top w0.2: v1(165.36,60.04) 164.71,58.91 D168.1 ; v1(178.21,45.73) 177.69,44.81 D148.1 ; U52.25 139.39,78.55 143.72,79.72 144.8,79.1 144.8,79.1 D188.1 148.44,77.98 v1(148.71,78.45) ; v1(156.97,69.13) 156.57,68.44 D178.1 ; D153.1 133.37,22.83 128.28,21.47 v1(127.4,21.98) ; v1(174.01,50.64) 173.36,49.51 D158.1 ; v1(152.34,76.35) 150.75,73.6 149.37,73.23 143.52,63.11 125.83,58.37 v1(122.59,52.76) 122.15,53.01 D184.1